# Altium PCB PROC114E3_BRD.PcbDoc (part 4 of 18) (continued)
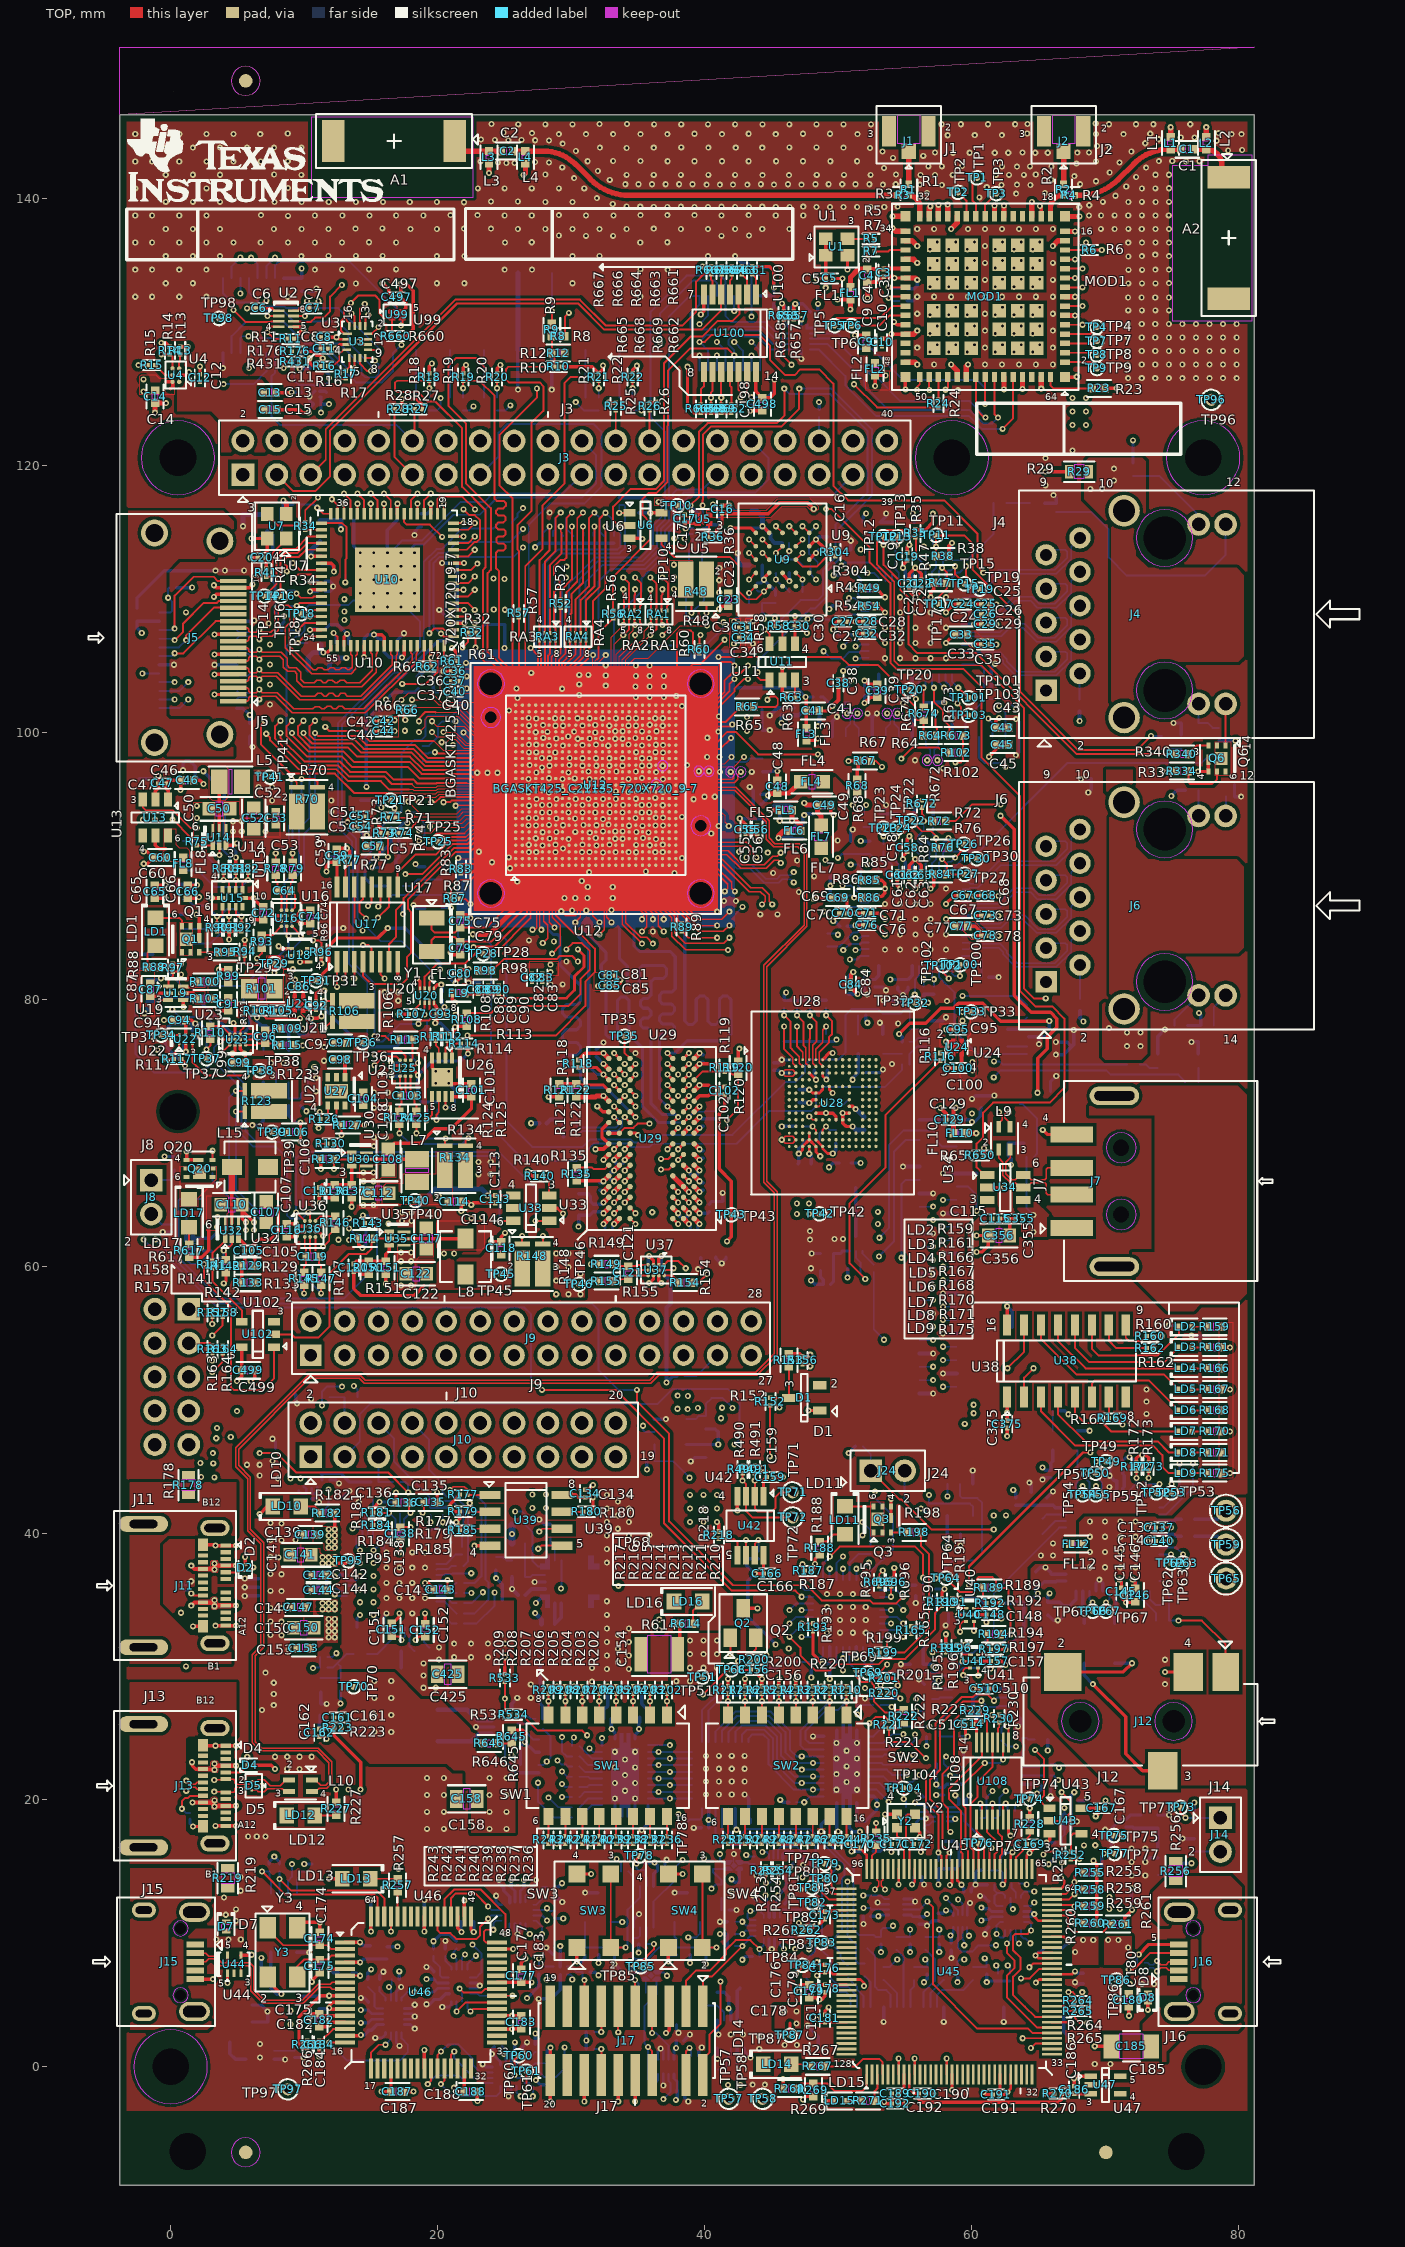
[diagram p0: TOP view]
## Footprints (in the part's own frame and the unit in brackets; to place one, negate y for a bottom-side part, rotate by r counter-clockwise, add the part's x,y. Pads: shape width x height; smd on the part's side, far side on the other; paste and mask are expansions set on the pad) (continued)
  silkscreen extent -261,-270 240,270, body extent -230,-260 230,260, height 150
VQFN48_19-68_285X285 [mil] "VQFN48_19-68_285X285"
  rect 34x12 smd: 1(137.8,-108.27) 2(137.8,-88.58) 3(137.8,-68.9) 4(137.8,-49.21) 5(137.8,-29.53) 6(137.8,-9.84) 7(137.8,9.84) 8(137.8,29.53) 9(137.8,49.21) 10(137.8,68.9) 11(137.8,88.58) 12(137.8,108.27) 25(-137.8,108.27) 26(-137.8,88.58) 27(-137.8,68.9) 28(-137.8,49.21) 29(-137.8,29.53) 30(-137.8,9.84) 31(-137.8,-9.84) 32(-137.8,-29.53) 33(-137.8,-49.21) 34(-137.8,-68.9) 35(-137.8,-88.58) 36(-137.8,-108.27)
  rect 12x34 smd: 13(108.27,137.8) 14(88.58,137.8) 15(68.9,137.8) 16(49.21,137.8) 17(29.53,137.8) 18(9.84,137.8) 19(-9.84,137.8) 20(-29.53,137.8) 21(-49.21,137.8) 22(-68.9,137.8) 23(-88.58,137.8) 24(-108.27,137.8) 37(-108.27,-137.8) 38(-88.58,-137.8) 39(-68.9,-137.8) 40(-49.21,-137.8) 41(-29.53,-137.8) 42(-9.84,-137.8) 43(9.84,-137.8) 44(29.53,-137.8) 45(49.21,-137.8) 46(68.9,-137.8) 47(88.58,-137.8) 48(108.27,-137.8)
  rect 164x164 smd: 49(0,0)
  silkscreen extent -150,-150 175,150
VQFN56_TPS65987D_280X280_1 [mil] "VQFN56_TPS65987D_280X280_1"
  rect 32x28 smd: 1(-131.89,94.49) 3(-131.89,62.99) 11(-131.89,-62.99) 13(-131.89,-94.49)
  rect 28x8 smd: 5(-131.89,39.37) 6(-131.89,23.62) 7(-131.89,7.87) 8(-131.89,-7.87) 9(-131.89,-23.62) 10(-131.89,-39.37) 29(131.89,-102.36) 30(131.89,-86.61) 31(131.89,-70.87) 32(131.89,-55.12) 33(131.89,-39.37) 34(131.89,-23.62) 35(131.89,-7.87) 36(131.89,7.87) 37(131.89,23.62) 38(131.89,39.37) 39(131.89,55.12) 40(131.89,70.87) 41(131.89,86.61) 42(131.89,102.36)
  rect 8x28 smd: 15(-102.36,-131.89) 16(-86.61,-131.89) 17(-70.87,-131.89) 18(-55.12,-131.89) 19(-39.37,-131.89) 20(-23.62,-131.89) 21(-7.87,-131.89) 22(7.87,-131.89) 23(23.62,-131.89) 24(39.37,-131.89) 25(55.12,-131.89) 26(70.87,-131.89) 27(86.61,-131.89) 28(102.36,-131.89) 43(102.36,131.89) 44(86.61,131.89) 45(70.87,131.89) 46(55.12,131.89) 47(39.37,131.89) 48(23.62,131.89) 49(7.87,131.89) 50(-7.87,131.89) 51(-23.62,131.89) 52(-39.37,131.89) 53(-55.12,131.89) 54(-70.87,131.89) 55(-86.61,131.89) 56(-102.36,131.89)
  rect 69x102 smd: 57(-73.82,57.09)
  rect 69x100 smd: 58(-73.82,-58.07)
  rect 134x217 smd: 59(41.34,0)
  silkscreen extent -165,-150 150,150
VQFNHR14_LM61460_160X140_1 [mil] "VQFNHR14_LM61460_160X140_1"
  oct 1x1 smd: 1(-65.94,45.28) 5(-65.94,-45.28) 9(62.99,-45.28) 11(62.99,45.28)
  rect 28x10 smd: 2(-72.83,20.67) 4(-72.83,-20.67)
  rect 28x12 smd: 3(-72.83,0)
  rect 10x28 smd: 6(-44.29,-62.99) 7(-24.61,-62.99) 13(-24.61,62.99) 14(-44.29,62.99)
  rect 16x39 smd: 8(17.72,-57.09) 12(17.72,57.09)
  rect 94x16 smd: 10(39.37,0)
  TOP region: 55.12,-76.78 70.86,-76.78 70.86,-53.15 86.61,-53.15 86.61,-37.41 55.12,-37.41
  TOP region: 55.12,-76.78 70.86,-76.78 70.86,-53.15 86.61,-53.15 86.61,-37.41 55.12,-37.41
  TOP region: 55.12,76.78 70.86,76.78 70.86,53.15 86.61,53.15 86.61,37.41 55.12,37.41
  TOP region: 55.12,76.78 70.86,76.78 70.86,53.15 86.61,53.15 86.61,37.41 55.12,37.41
  TOP region: -72.83,-76.78 -59.05,-76.78 -59.05,-37.41 -86.61,-37.41 -86.61,-53.15 -72.83,-53.15
  TOP region: -72.83,-76.78 -59.05,-76.78 -59.05,-37.41 -86.61,-37.41 -86.61,-53.15 -72.83,-53.15
  TOP region: -72.83,76.78 -59.05,76.78 -59.05,37.41 -86.61,37.41 -86.61,53.15 -72.83,53.15
  TOP region: -72.83,76.78 -59.05,76.78 -59.05,37.41 -86.61,37.41 -86.61,53.15 -72.83,53.15
  silkscreen extent -115,-90 100,90, body extent -80,-70 80,70, height 150
VQFNHR15_TPS630701_100X120_1 [mil] "VQFNHR15_TPS630701_100X120_1"
  rect 24x10 smd: 1(45.2,-29.53) 2(45.2,-9.84) 3(45.2,9.84) 4(45.2,29.53)
  rect 10x24 smd: 5(28.46,55.12) 6(8.78,55.12) 14(8.78,-55.12) 15(28.46,-55.12)
  rect 33x28 smd: 7(-20.75,55.12) 12(-20.75,-55.12)
  rect 57x14 smd: 9(-30.59,19.68) 11(-30.59,-19.68)
  rect 71x14 smd: 10(-23.7,0)
  silkscreen extent -60,-70 75,70, body extent -50,-60 50,60, height 150
VSONHR6_TPS62826_60X60_1 [mil] "VSONHR6_TPS62826_60X60_1"
  rect 28x14 smd: 1(-25.41,19.68) 2(-25.41,0) 3(-25.41,-19.68)
  rect 39x8 smd: 4(17.9,-19.68) 5(17.9,0) 6(17.9,19.68)
  silkscreen extent -55,-40 30,45, body extent -30,-30 30,30, height 150
VSSOP8_19-68_85X95_0-9 [mil] "VSSOP8_19-68_85X95_0-9"
  rect 33x12 smd: 1(-61.02,29.53) 2(-61.02,9.84) 3(-61.02,-9.84) 4(-61.02,-29.53) 5(61.02,-29.53) 6(61.02,-9.84) 7(61.02,9.84) 8(61.02,29.53)
  silkscreen extent -96,-50 30,51, body extent -45,-40 45,40, height 150
VSSOP8_25-59_120X120_1-1#1 [mil] "VSSOP8_25-59_120X120_1-1"
  rect 55x18 smd: 1(-86.61,38.39) 2(-86.61,12.8) 3(-86.61,-12.8) 4(-86.61,-38.39) 5(86.61,-38.39) 6(86.61,-12.8) 7(86.61,12.8) 8(86.61,38.39)
  silkscreen extent -106,-70 45,70, body extent -60,-60 60,60, height 150
VSSOP8_25-59_120X120_1-1#2 [mil] "VSSOP8_25-59_120X120_1-1"
  rect 55x18 smd: 1(86.61,-38.39) 2(86.61,-12.8) 3(86.61,12.8) 4(86.61,38.39) 5(-86.61,38.39) 6(-86.61,12.8) 7(-86.61,-12.8) 8(-86.61,-38.39)
  silkscreen extent -45,-70 135,70, body extent -60,-60 60,60, height 150
WSON6_CSD13202Q2_80X80_0-8 [mil] "WSON6_CSD13202Q2_80X80_0-8"
  rect 18x12 smd: 1(-38.39,25.59) 2(-38.39,0) 3(-38.39,-25.59) 4(38.39,-25.59) 5(38.39,0) 6(38.39,25.59)
  rect 30x12 smd: 7(3.74,-25.59)
  rect 39x37 smd: 8(0,12.8)
  silkscreen extent -72,-50 40,55, body extent -40,-40 40,40, height 150
WSON6_TPS717_60X60_0-8 [mil] "WSON6_TPS717_60X60_0-8"
  rect 33x11 smd: 1(-20.67,19.68)
  rect 30x11 smd: 2(-22.64,0) 3(-22.64,-19.68) 4(22.64,-19.68) 5(22.64,0) 6(22.64,19.68)
  silkscreen extent -53,-40 30,45
WSON10_19-68_80X120_0-8 [mil] "WSON10_19-68_80X120_0-8"
  rect 28x12 smd: 1(-41.34,39.37) 2(-41.34,19.68) 3(-41.34,0) 4(-41.34,-19.68) 5(-41.34,-39.37) 6(41.34,-39.37) 7(41.34,-19.68) 8(41.34,0) 9(41.34,19.68) 10(41.34,39.37)
  rect 37x98 smd: 11(0,0)
  silkscreen extent -67,-70 50,75, body extent -40,-60 40,60, height 150
X2SON3_ESD122DMX_30X40_0-4 [mil] "X2SON3_ESD122DMX_30X40_0-4"
  rect 8x8 smd: 1(-5.91,0) 2(5.91,-13.39) 3(5.91,13.39)
  silkscreen extent -35,-35 25,35, body extent -15,-20 15,20, height 150
X2SON4_TLV71318P_40X40_0-4 [mil] "X2SON4_TLV71318P_40X40_0-4"
  oct 1x1 smd: 1(-16.93,12.8) 2(-16.93,-12.8) 3(16.93,-12.8) 4(16.93,12.8) 5(0,0)
  TOP region: 25.99,18.9 7.87,18.9 7.87,14.94 16.11,6.7 25.99,6.7
  TOP region: 25.99,18.9 7.87,18.9 7.87,14.94 16.11,6.7 25.99,6.7
  TOP region: 25.99,-18.9 7.87,-18.9 7.87,-14.94 16.11,-6.7 25.99,-6.7
  TOP region: 25.99,-18.9 7.87,-18.9 7.87,-14.94 16.11,-6.7 25.99,-6.7
  TOP region: 0,16.26 -16.26,0 0,-16.26 16.26,0
  TOP region: -25.99,18.9 -7.87,18.9 -7.87,14.94 -16.11,6.7 -25.99,6.7
  TOP region: -25.99,18.9 -7.87,18.9 -7.87,14.94 -16.11,6.7 -25.99,6.7
  TOP region: -25.99,-18.9 -7.87,-18.9 -7.87,-14.94 -16.11,-6.7 -25.99,-6.7
  TOP region: -25.99,-18.9 -7.87,-18.9 -7.87,-14.94 -16.11,-6.7 -25.99,-6.7
  silkscreen extent -34,-30 20,30, body extent -20,-20 20,20, height 150
X2SON5_TLV7021_30X30_0-4#1 [mil] "X2SON5_TLV7021_30X30_0-4"
  oct 1x1 smd: 1(-15.35,9.45) 2(-15.35,-9.45) 3(0,0) 4(15.35,-9.45) 5(15.35,9.45)
  TOP region: 12.55,3.12 21.65,3.12 23.17,3.42 24.46,4.28 25.32,5.57 25.62,7.09 25.62,7.09 25.62,11.81 25.32,13.33 24.46,14.62 23.17,15.48 21.65,15.78 21.65,15.78 5.08,15.78 5.08,10.59
  TOP region: 12.55,3.12 21.65,3.12 23.17,3.42 24.46,4.28 25.32,5.57 25.62,7.09 25.62,7.09 25.62,11.81 25.32,13.33 24.46,14.62 23.17,15.48 21.65,15.78 21.65,15.78 5.08,15.78 5.08,10.59
  TOP region: -12.55,3.12 -21.65,3.12 -23.17,3.42 -24.46,4.28 -25.32,5.57 -25.62,7.09 -25.62,7.09 -25.62,11.81 -25.32,13.33 -24.46,14.62 -23.17,15.48 -21.65,15.78 -21.65,15.78 -5.08,15.78 -5.08,10.59
  TOP region: -12.55,3.12 -21.65,3.12 -23.17,3.42 -24.46,4.28 -25.32,5.57 -25.62,7.09 -25.62,7.09 -25.62,11.81 -25.32,13.33 -24.46,14.62 -23.17,15.48 -21.65,15.78 -21.65,15.78 -5.08,15.78 -5.08,10.59
  TOP region: 12.55,-3.12 21.65,-3.12 23.17,-3.42 24.46,-4.28 25.32,-5.57 25.62,-7.09 25.62,-7.09 25.62,-11.81 25.32,-13.33 24.46,-14.62 23.17,-15.48 21.65,-15.78 21.65,-15.78 5.08,-15.78 5.08,-10.59
  TOP region: 12.55,-3.12 21.65,-3.12 23.17,-3.42 24.46,-4.28 25.32,-5.57 25.62,-7.09 25.62,-7.09 25.62,-11.81 25.32,-13.33 24.46,-14.62 23.17,-15.48 21.65,-15.78 21.65,-15.78 5.08,-15.78 5.08,-10.59
  TOP region: -12.55,-3.12 -21.65,-3.12 -23.17,-3.42 -24.46,-4.28 -25.32,-5.57 -25.62,-7.09 -25.62,-7.09 -25.62,-11.81 -25.32,-13.33 -24.46,-14.62 -23.17,-15.48 -21.65,-15.78 -21.65,-15.78 -5.08,-15.78 -5.08,-10.59
  TOP region: -12.55,-3.12 -21.65,-3.12 -23.17,-3.42 -24.46,-4.28 -25.32,-5.57 -25.62,-7.09 -25.62,-7.09 -25.62,-11.81 -25.32,-13.33 -24.46,-14.62 -23.17,-15.48 -21.65,-15.78 -21.65,-15.78 -5.08,-15.78 -5.08,-10.59
  TOP region: 0,9.9 -9.9,0 0,-9.9 9.9,0
  silkscreen extent -50,-30 40,30, body extent -15,-15 15,15, height 150
X2SON5_TLV7021_30X30_0-4#2 [mil] "X2SON5_TLV7021_30X30_0-4"
  oct 1x1 smd: 1(15.35,-9.45) 2(15.35,9.45) 3(0,0) 4(-15.35,9.45) 5(-15.35,-9.45)
  TOP region: 12.55,-3.12 21.65,-3.12 23.17,-3.42 24.46,-4.28 25.32,-5.57 25.62,-7.09 25.62,-7.09 25.62,-11.81 25.32,-13.33 24.46,-14.62 23.17,-15.48 21.65,-15.78 21.65,-15.78 5.08,-15.78 5.08,-10.59
  TOP region: 12.55,-3.12 21.65,-3.12 23.17,-3.42 24.46,-4.28 25.32,-5.57 25.62,-7.09 25.62,-7.09 25.62,-11.81 25.32,-13.33 24.46,-14.62 23.17,-15.48 21.65,-15.78 21.65,-15.78 5.08,-15.78 5.08,-10.59
  TOP region: 12.55,3.12 21.65,3.12 23.17,3.42 24.46,4.28 25.32,5.57 25.62,7.09 25.62,7.09 25.62,11.81 25.32,13.33 24.46,14.62 23.17,15.48 21.65,15.78 21.65,15.78 5.08,15.78 5.08,10.59
  TOP region: 12.55,3.12 21.65,3.12 23.17,3.42 24.46,4.28 25.32,5.57 25.62,7.09 25.62,7.09 25.62,11.81 25.32,13.33 24.46,14.62 23.17,15.48 21.65,15.78 21.65,15.78 5.08,15.78 5.08,10.59
  TOP region: -12.55,-3.12 -21.65,-3.12 -23.17,-3.42 -24.46,-4.28 -25.32,-5.57 -25.62,-7.09 -25.62,-7.09 -25.62,-11.81 -25.32,-13.33 -24.46,-14.62 -23.17,-15.48 -21.65,-15.78 -21.65,-15.78 -5.08,-15.78 -5.08,-10.59
  TOP region: -12.55,-3.12 -21.65,-3.12 -23.17,-3.42 -24.46,-4.28 -25.32,-5.57 -25.62,-7.09 -25.62,-7.09 -25.62,-11.81 -25.32,-13.33 -24.46,-14.62 -23.17,-15.48 -21.65,-15.78 -21.65,-15.78 -5.08,-15.78 -5.08,-10.59
  TOP region: -12.55,3.12 -21.65,3.12 -23.17,3.42 -24.46,4.28 -25.32,5.57 -25.62,7.09 -25.62,7.09 -25.62,11.81 -25.32,13.33 -24.46,14.62 -23.17,15.48 -21.65,15.78 -21.65,15.78 -5.08,15.78 -5.08,10.59
  TOP region: -12.55,3.12 -21.65,3.12 -23.17,3.42 -24.46,4.28 -25.32,5.57 -25.62,7.09 -25.62,7.09 -25.62,11.81 -25.32,13.33 -24.46,14.62 -23.17,15.48 -21.65,15.78 -21.65,15.78 -5.08,15.78 -5.08,10.59
  TOP region: 0,-9.9 9.9,0 0,9.9 -9.9,0
  silkscreen extent -40,-30 50,30, body extent -15,-15 15,15, height 150
X2SON8_15-74_70X50 [mil] "X2SON8_15-74_70X50"
  rect 33x8 smd: 1(-21.65,23.62) 2(-21.65,7.87) 3(-21.65,-7.87) 4(-21.65,-23.62) 5(21.65,-23.62) 6(21.65,-7.87) 7(21.65,7.87) 8(21.65,23.62)
  silkscreen extent -50,-45 35,50, body extent -25,-35 25,35, height 150
X2SON8_TXS0102_40X60_0-4#1 [mil] "X2SON8_TXS0102_40X60_0-4"
  rect 24x7 smd: 1(-15.73,20.67)
  rect 20x7 smd: 2(-17.7,6.89) 3(-17.7,-6.89) 4(-17.7,-20.67) 5(17.74,-20.67) 6(17.74,-6.89) 7(17.74,6.89) 8(17.74,20.67)
  silkscreen extent -42,-40 20,45, body extent -20,-30 20,30, height 150
X2SON8_TXS0102_40X60_0-4#2 [mil] "X2SON8_TXS0102_40X60_0-4"
  rect 24x7 smd: 1(15.73,-20.67)
  rect 20x7 smd: 2(17.7,-6.89) 3(17.7,6.89) 4(17.7,20.67) 5(-17.74,20.67) 6(-17.74,6.89) 7(-17.74,-6.89) 8(-17.74,-20.67)
  silkscreen extent -20,-45 38,40, body extent -20,-30 20,30, height 150
XTAL4_ECX-53BQ_200X130_SMD_0-9 [mil] "XTAL4_ECX-53BQ_200X130_SMD_0-9"
  rect 63x49 smd: 1(-72.83,-43.31) 2(72.83,-43.31) 3(72.83,43.31) 4(-72.83,43.31)
  silkscreen extent -135,-80 115,80, body extent -100,-65 100,65, height 150
XTAL4_XRCGB-FM_80X60_SMD_0-7 [mil] "XTAL4_XRCGB-FM_80X60_SMD_0-7"
  rect 30x28 smd: 1(-26.57,-19.68) 2(26.57,-19.68) 3(26.57,19.68) 4(-26.57,19.68)
  silkscreen extent -67,-50 55,50, body extent -40,-30 40,30, height 150
XTAL_ECS-32_130X60_SMD_0-9 [mil] "XTAL_ECS-32_130X60_SMD_0-9"
  rect 44x75 smd: 1(-49.21,0) 2(49.21,0)
  silkscreen extent -102,-55 85,55, body extent -65,-30 65,30, height 150

## Free pads (board coordinates)
  round 2.616 hole 2.743: ""(0,0) ""(0.547,71.584) ""(0.547,120.584) ""(1.27,-6.35) ""(1.27,148.827) ""(58.547,120.584) ""(76.11,-6.35) ""(76.11,148.827) ""(77.38,0) ""(77.38,120.584)
  round 1.016 all layers, no hole: ""(5.625,-6.418) ""(5.625,148.827) ""(70.09,-6.418)

## Via types
v1: diameter 0.457, hole 0.203, TOP to BOTTOM, 3263 vias

## Nets (pads, with @x,y where several pads share a name; then routed paths per layer and width w, separated by ;. In a path a pad name is that pad's centre, name@x,y a point inside that pad or via, vN(x,y) a via of type N, cw(c..) or ccw(c..) an arc to the next point about the centre after c; other vN are vias at no path point)
1V8_PG:  | length 43.3
  TOP w0.147: v1(-0.786,79.36) -0.786,79.805 -0.639,79.952 -0.205,79.952 ; v1(3.646,90.805) 3.646,91.541 ; v1(11.113,69.174) 11.723,69.174 ; 12.425,72.053 12.425,70.955 12.808,70.571 v1(12.808,69.822)
  L08_SIG2 w0.091: v1(3.646,90.805) 1.201,90.805 -1.298,88.306 -1.298,79.872 v1(-0.786,79.36) -1.408,78.737 -1.408,75.372 -0.519,74.483 2.681,74.483 4.865,72.299 5.852,72.299 7.859,70.292 10.149,70.292 10.631,70.775 12.257,70.775 12.808,70.223 v1(12.808,69.822) 12.161,69.174 v1(11.113,69.174)
ADCIN1:  | length 3.7
  BOTTOM w0.147: 10.118,35.641 10.52,36.043 11.126,36.043 11.126,35.799 11.274,35.651 11.958,35.651 12.13,35.824 12.53,35.824 12.689,35.665 13.22,35.665
ADCIN2:  | length 3.5
  BOTTOM w0.147: 10.118,36.911 10.627,36.911 10.733,36.805 11.126,36.805 11.126,37.056 11.266,37.196 12.536,37.196 12.606,37.265 13.22,37.265
ADDR_IO_EXP:  | length 1.5
  BOTTOM w0.147: 51.891,31.472 51.891,30.771 51.993,30.669 51.993,30.034
AGND_AUD:  | length 11.6
  TOP w0.254: v1(71.101,36.506) 71.256,36.351 71.256,35.894 ; v1(72.101,36.506) 72.299,36.307 72.299,35.845 ; v1(73.237,39.401) 73.821,39.401 ; v1(73.237,40.401) 73.821,40.401 ; v1(74.524,29.587) 76.266,29.587
  BOTTOM w0.254: 64.835,37.112 65.154,37.431 v1(65.571,37.431) 65.978,37.025 65.978,36.902 67.1,36.902 ; 65.724,33.836 65.757,33.836 66.13,33.462 v1(66.486,33.462) 66.638,33.462 66.892,33.716 66.892,33.995 ; 69.351,35.651 69.351,36.256 v1(69.601,36.506) 69.851,36.256 69.851,35.651 ; v1(72.101,36.506) 72.351,36.256 72.351,35.651
  other v1: 74.524,28.673 74.524,30.502 68.886,37.437 70.029,37.437 71.172,37.437 72.315,37.437 68.886,38.58 70.029,38.58 71.172,38.58 72.315,38.58 68.886,39.723 70.029,39.723 71.172,39.723 72.315,39.723 68.886,40.866 70.029,40.866 71.172,40.866 72.315,40.866
AUD_RSTN:  | length 15.9
  BOTTOM w0.147: 58.297,31.539 58.297,30.414 58.637,30.414 58.79,30.567 58.79,30.77 59.018,30.998 60.132,30.998 61.685,32.552 61.685,35.494 66.593,40.401 67.1,40.401
AUDIO_EXT_REFCLK1:  | length 27.7
  TOP w0.147: 7.227,116.384 7.227,116.301 8.012,115.515 9.443,115.515 9.677,115.75 10.087,115.75 10.087,116.642 v1(11.048,117.603) ; v1(21.874,106.362) 22.282,106.77 22.282,107.473
  L03_SIG1 w0.091: v1(11.048,117.603) 10.61,117.165 10.61,116.678 11.805,115.484 11.805,108.465 12.422,107.848 20.389,107.848 v1(21.874,106.362)
AUDIO_MSTRCLK:  | length 1.5
  BOTTOM w0.147: 67.851,42.652 67.851,43.691 67.957,43.797 67.957,44.142
BOOTMODE0:  | length 2.1
  BOTTOM w0.147: 30.647,18.687 31.564,19.604 32.325,19.604
BOOTMODE1:  | length 1.9
  BOTTOM w0.147: 30.647,19.449 31.302,20.104 32.325,20.104
BOOTMODE2:  | length 1.8
  BOTTOM w0.147: 30.647,20.211 31.04,20.604 32.325,20.604
BOOTMODE3:  | length 1.7
  BOTTOM w0.147: 30.647,20.973 31.231,20.973 31.361,21.104 32.325,21.104
BOOTMODE4:  | length 1.7
  BOTTOM w0.147: 30.647,21.735 31.303,21.735 31.434,21.604 32.325,21.604
BOOTMODE5:  | length 1.8
  BOTTOM w0.147: 30.647,22.497 31.04,22.104 32.325,22.104
BOOTMODE6:  | length 1.9
  BOTTOM w0.147: 30.647,23.259 31.302,22.604 32.325,22.604
BOOTMODE7:  | length 2.1
  BOTTOM w0.147: 30.647,24.021 31.564,23.104 32.325,23.104
BOOTMODE8:  | length 137.3
  TOP w0.147: v1(33.92,111.607) 34.363,111.163 34.363,109.123
  L08_SIG2 w0.091: v1(33.92,111.607) 36.465,114.152 39.904,114.152 41.637,115.885 49.463,115.885 50.429,116.851 58.569,116.851 62.107,113.313 62.107,110.444 61.417,109.754 61.417,105.995 60.776,105.353 60.776,92.52 62.574,90.722 62.574,73.925 64.11,72.39 64.11,46.38 61.309,43.58 61.309,40.084 63.815,37.578 63.815,27.316 61.722,25.222 60.046,25.222 59.765,25.503 v1(56.871,25.503)
  BOTTOM w0.147: 52.386,24.764 52.666,24.764 53.404,25.503 v1(56.871,25.503)
BOOTMODE9:  | length 135.4
  TOP w0.147: v1(33.92,110.727) 33.92,110.323 33.963,110.28 33.963,109.123
  L08_SIG2 w0.091: v1(33.92,110.727) 34.325,110.322 35.13,110.322 35.351,110.542 35.351,111.279 35.576,111.504 35.576,112.402 36.73,113.556 41.744,113.556 42.348,112.951 48.466,112.951 51.055,115.541 59.039,115.541 61.528,113.052 61.528,110.815 60.838,110.125 60.838,106.324 60.197,105.683 60.197,92.253 61.225,91.224 61.225,73.931 63.398,71.758 63.398,46.558 60.73,43.89 60.73,39.844 62.89,37.683 62.89,33.071 62.535,32.715 62.535,32.029 62.992,31.572 62.992,28.118 61.671,26.797 56.997,26.797 56.134,25.933 55.926,25.933 v1(54.912,24.919)
  BOTTOM w0.147: 52.386,24.265 53.41,24.265 54.065,24.919 v1(54.912,24.919)
BOOTMODE10:  | length 135.3
  TOP w0.147: 34.763,109.123 34.763,110.272 34.814,110.323 v1(34.814,110.727)
  L08_SIG2 w0.091: v1(34.814,110.727) 35.08,110.993 35.08,111.297 35.383,111.6 35.383,112.505 36.643,113.765 40.233,113.765 40.453,113.984 49.226,113.984 50.975,115.734 59.119,115.734 61.721,113.132 61.721,110.735 61.031,110.045 61.031,106.243 60.39,105.602 60.39,92.36 61.436,91.315 61.436,76.662 62.117,75.981 62.117,73.544 63.627,72.034 63.627,46.507 60.923,43.804 60.923,39.924 63.373,37.474 63.373,27.584 61.747,25.959 61.265,25.959 60.884,26.34 56.845,26.34 55.789,25.283 v1(55.789,24.897)
  BOTTOM w0.147: 52.386,23.764 53.672,23.764 54.065,24.157 55.453,24.157 55.789,24.493 v1(55.789,24.897)
BOOTMODE11:  | length 132.7
  TOP w0.147: v1(36.846,111.607) 37.288,111.165 37.288,109.543 37.195,109.45 37.195,109.123
  L08_SIG2 w0.091: v1(36.846,111.607) 36.468,111.985 36.468,112.922 36.89,113.344 41.466,113.344 42.079,112.732 48.519,112.732 51.135,115.347 58.959,115.347 61.335,112.972 61.335,110.895 60.645,110.205 60.645,106.404 60.004,105.763 60.004,92.173 61.016,91.161 61.016,71.642 61.966,70.692 61.966,45.43 60.488,43.952 60.488,39.757 62.687,37.558 62.687,33.35 62.128,32.791 62.128,29.261 61.239,28.372 61.239,27.178 61.062,27 56.82,27 56.083,26.264 55.622,26.264 54.505,25.147 54.505,24.074 54.743,23.835 v1(54.743,23.395)
  BOTTOM w0.147: 52.386,23.265 53.35,23.265 53.481,23.395 v1(54.743,23.395)
BOOTMODE12:  | length 134.8
  TOP w0.147: 36.795,109.123 36.795,110.272 36.846,110.323 v1(36.846,110.727)
  L08_SIG2 w0.091: v1(36.846,110.727) 37.329,111.21 38.793,111.21 40.516,112.933 41.605,112.933 42.111,112.427 48.488,112.427 51.215,115.154 58.87,115.154 60.433,113.592 60.433,111.902 59.811,111.28 59.811,92.093 60.823,91.081 60.823,71.562 61.773,70.612 61.773,45.618 60.295,44.14 60.295,39.633 61.29,38.637 61.29,34.29 61.773,33.807 61.773,30.302 61.874,30.201 61.874,29.359 60.048,27.533 56.618,27.533 56.238,27.153 55.575,27.153 54.275,25.853 54.275,21.928 54.724,21.479 55.387,21.479 55.649,21.741 v1(55.649,23.374)
  BOTTOM w0.147: 52.386,22.764 53.278,22.764 53.409,22.633 55.336,22.633 55.649,22.947 v1(55.649,23.374)
BOOTMODE13:  | length 138.5
  TOP w0.147: v1(34.814,111.607) 35.256,111.165 35.256,109.543 35.163,109.45 35.163,109.123
  L08_SIG2 w0.091: v1(34.814,111.607) 34.814,112.221 36.551,113.958 40.1,113.958 41.072,114.929 49.127,114.929 50.144,115.946 59.18,115.946 61.914,113.212 61.914,110.555 61.224,109.865 61.224,106.088 60.583,105.447 60.583,92.44 61.629,91.394 61.629,76.827 62.34,76.116 62.34,73.702 63.83,72.212 63.83,46.38 61.116,43.666 61.116,40.004 63.602,37.518 63.602,27.457 61.595,25.451 60.427,25.451 59.88,25.997 56.832,25.997 56.337,25.502 56.337,24.606 55.183,23.452 v1(55.183,21.871)
  BOTTOM w0.147: 52.386,22.265 53.671,22.265 54.065,21.871 v1(55.183,21.871)
BOOTMODE14:  | length 135.2
  TOP w0.147: v1(35.952,110.727) 35.952,110.323 35.995,110.28 35.995,109.123
  L08_SIG2 w0.091: v1(35.952,110.727) 36.383,110.295 38.595,110.295 40.241,111.942 41.849,111.942 42.141,112.234 48.568,112.234 49.839,113.505 50.873,113.505 52.33,114.961 58.79,114.961 60.24,113.512 60.24,111.982 59.617,111.359 59.617,92.014 60.63,91.001 60.63,71.393 61.559,70.463 61.559,47.697 59.629,45.767 59.629,40.006 60.985,38.65 60.985,34.087 61.544,33.528 61.544,30.632 61.011,30.099 61.011,29.235 60.655,28.88 60.02,28.88 59.131,27.991 55.575,27.991 55.245,27.661 55.245,27.178 54.07,26.003 54.07,21.761 54.589,21.242 55.468,21.242 v1(56.098,21.871)
  BOTTOM w0.147: 52.386,21.764 53.41,21.764 53.838,21.336 55.562,21.336 v1(56.098,21.871)
BOOTMODE15:  | length 135.2
  TOP w0.147: v1(35.952,111.607) 36.395,111.163 36.395,109.123
  L08_SIG2 w0.091: v1(35.952,111.607) 35.544,111.199 35.544,110.444 35.885,110.102 39.789,110.102 40.596,110.909 42.13,110.909 43.261,112.041 48.648,112.041 49.888,113.281 52.056,113.281 53.543,114.768 58.71,114.768 60.047,113.432 60.047,112.062 59.424,111.439 59.424,91.934 60.185,91.173 60.185,90.053 59.599,89.466 59.599,83.113 59.941,82.77 59.941,75.937 59.687,75.683 59.687,72.898 59.543,72.753 59.543,70.074 60.24,69.376 61.023,69.376 61.366,69.033 61.366,47.777 59.436,45.847 59.436,39.926 60.706,38.656 60.706,32.36 59.969,31.623 59.969,29.21 58.979,28.219 55.372,28.219 55.22,28.067 54.051,28.067 53.467,27.483 53.467,26.441 53.645,26.264 53.645,21.184 v1(54,20.828)
  BOTTOM w0.147: 52.386,21.265 53.135,21.265 53.571,20.828 v1(54,20.828)
BOOTMODE_I2C_SCL:  | length 55.4
  TOP w0.147: 48.782,9.307 v1(49.417,9.307)
  L03_SIG1 w0.091: v1(61.874,7.595) 61.874,7.95 60.579,9.246 60.579,10.16 63.17,12.751 65.075,12.751 65.557,13.233 65.557,13.614 66.65,14.707 66.98,14.707 67.285,15.011 67.285,16.637 65.938,17.983 65.938,19.634 66.37,20.066 66.37,21.336 v1(66.523,21.488)
  L08_SIG2 w0.091: v1(49.417,9.307) 58.552,9.307 59.131,8.727 59.721,8.727 60.854,7.595 v1(61.874,7.595)
  BOTTOM w0.147: 41.318,19.354 41.318,17.71 42.051,16.977 42.73,16.977 43.263,17.511 47.823,17.511 48.446,16.887 48.709,16.887 50.507,15.089 50.507,14.334 50.306,14.132 50.306,10.221 49.417,9.332 v1(49.417,9.307) 50.189,8.535 50.189,8.137 50.708,7.618 50.746,7.618 ; v1(61.874,7.595) 62.01,7.459 62.01,6.984 ; 65.939,21.818 66.193,21.818 v1(66.523,21.488)
BOOTMODE_I2C_SDA:  | length 62
  TOP w0.147: v1(46.863,6.96) 47.36,7.456 47.36,7.593
  L03_SIG1 w0.091: v1(62.738,7.595) 61.443,8.89 61.443,10.363 62.484,11.405 63.754,11.405 64.262,11.913 65.557,11.913 67.081,13.437 67.081,13.868 67.539,14.326 67.539,16.942 66.396,18.085 66.396,19.533 67.259,20.396 67.259,21.717 v1(66.573,22.403)
  L08_SIG2 w0.091: v1(46.863,6.96) 47.559,6.263 50.375,6.263 53.166,9.054 58.388,9.054 59.022,8.42 59.695,8.42 60.977,7.137 62.281,7.137 v1(62.738,7.595)
  BOTTOM w0.147: 40.818,19.354 40.818,17.55 41.746,16.622 42.889,16.622 43.473,17.206 47.69,17.206 48.325,16.571 48.325,12.482 47.918,12.075 47.918,9.967 48.274,9.611 48.274,8.638 47.647,8.011 47.647,7.618 47.195,7.618 46.863,7.286 v1(46.863,6.96) ; v1(62.738,7.595) 62.899,7.434 62.899,6.984 ; 65.939,22.707 66.269,22.707 v1(66.573,22.403)
BOOTMODE_XDS_I2C_SCL:  | length 35.7
  TOP w0.147: v1(63.729,6.629) 64.389,6.629 65.097,7.337 66.058,7.337
  L03_SIG1 w0.091: v1(58.42,21.818) 58.318,21.92 57.226,21.92 56.718,21.412 55.55,21.412 54.508,20.371 54.508,19.634 54.788,19.355 54.788,15.494 54.077,14.783 54.077,12.827 53.492,12.243 53.492,10.998 52.349,9.855 52.349,7.544 54.762,5.131 62.23,5.131 v1(63.729,6.629)
  BOTTOM w0.147: 57.938,21.818 v1(58.42,21.818) 59.418,21.818
BOOTMODE_XDS_I2C_SDA:  | length 39.4
  TOP w0.147: v1(64.351,7.455) 64.633,7.737 66.058,7.737
  L03_SIG1 w0.091: v1(58.115,23.241) 57.48,22.606 55.22,22.606 54.559,21.946 54.559,20.803 54.28,20.523 54.28,17.196 53.188,16.104 53.188,15.24 52.299,14.351 52.299,13.106 52.578,12.827 52.578,10.566 51.791,9.779 51.791,7.595 54.737,4.648 62.535,4.648 64.351,6.464 v1(64.351,7.455)
  BOTTOM w0.147: v1(58.115,23.241) 57.938,23.064 57.938,22.707 58.177,22.468 59.418,22.468
BOOTMODEON:  | length 47.1
  TOP w0.147: v1(65.4,15.904) 65.612,16.116 67.458,16.116 67.458,17.289 67.639,17.47 68.272,17.47
  L08_SIG2 w0.091: v1(31.383,23.861) 32.475,23.861 33.212,24.597 35.904,24.597 36.615,25.309 51.041,25.309 53.17,23.18 53.17,20.507 v1(53.806,19.871) 54.526,19.152 57.556,19.152 58.852,17.856 63.448,17.856 v1(65.4,15.904)
  BOTTOM w0.147: v1(31.383,23.861) 31.64,23.604 32.325,23.604 ; 52.386,20.764 52.913,20.764 v1(53.806,19.871)
BT_EN:  | length 51.5
  TOP w0.147: 9.202,131.213 v1(10.053,131.213) ; v1(53.811,132.547) 53.918,132.654 55.065,132.654
  L08_SIG2 w0.091: v1(10.053,131.213) 11.215,131.213 12.617,132.615 18.56,132.615 21.371,129.804 29.802,129.804 33.466,133.468 43.288,133.468 44.611,134.791 48.378,134.791 50.012,133.156 53.202,133.156 v1(53.811,132.547)
  BOTTOM w0.147: v1(53.811,132.547) 54.014,132.344 54.623,132.344
BT_EN_SOC:  | length 54.3
  TOP w0.102: v1(27.844,94.002) 27.86,93.986 27.86,93.545
  TOP w0.147: v1(7.252,131.213) 8.103,131.213
  L08_SIG2 w0.091: v1(7.252,131.213) 8.927,129.538 8.927,126.739 8.471,126.284 8.471,124.515 9.016,123.971 9.016,117.486 11.612,114.891 11.612,107.253 12.514,106.351 12.514,105.369 13.323,104.56 17.564,104.56 18.685,103.439 18.685,102.01 18.221,101.546 18.221,98.423 19.227,97.417 24.649,97.417 26.172,95.894 26.172,94.353 26.523,94.002 v1(27.844,94.002)
BT_UART_DEBUG:  | length 4.3
  TOP w0.147: 51.045,130.484 53.121,130.484 53.891,131.254 55.065,131.254
CAP_VDDS0:  | length 0.9
  TOP w0.102: v1(29.361,96.502) 29.361,97.045
  BOTTOM w0.254: 29.168,96.739 29.168,96.695 v1(29.361,96.502)
CAP_VDDS1:  | length 1.2
  TOP w0.102: v1(29.905,98.088) 30.36,98.543 30.36,98.545
  BOTTOM w0.254: 29.485,98.333 29.729,98.088 v1(29.905,98.088)
CAP_VDDS2:  | length 0.8
  TOP w0.254: 34.86,98.045 34.877,98.062 v1(35.317,98.062)
  BOTTOM w0.254: v1(35.317,98.062) 35.317,98.262 35.427,98.372
CAP_VDDS3:  | length 0.8
  TOP w0.254: 32.36,99.045 32.751,99.045 v1(32.798,98.998)
  BOTTOM w0.254: v1(32.798,98.998) 32.816,99.016 32.816,99.286
CAP_VDDS4:  | length 1.2
  TOP w0.254: 33.86,93.045 33.86,92.604 v1(33.877,92.587)
  BOTTOM w0.203: v1(33.877,92.587) 34.024,92.44 34.048,92.44 34.288,92.199 34.288,92.176 34.329,92.135 34.401,92.135
CAP_VDDS5:  | length 1.4
  TOP w0.102: v1(28.82,98.501) 29.276,98.045 29.361,98.045
  BOTTOM w0.254: v1(28.82,98.501) 28.925,98.397 28.925,97.922
CAP_VDDS6:  | length 1.1
  TOP w0.102: v1@29.795,99.68 v1(29.795,99.69)
  TOP w0.254: v1@29.795,99.68 29.834,99.642 29.834,99.072 29.86,99.045
  BOTTOM w0.254: 29.478,99.959 29.526,99.959 v1(29.795,99.69)
CAP_VDDS_CANUART:  | length 1
  TOP w0.203: v1(28.403,94.002) 28.446,94.045 28.86,94.045
  BOTTOM w0.254: 28.152,93.604 28.403,93.855 v1(28.403,94.002)
CAP_VDDS_MCU:  | length 1.4
  TOP w0.102: v1(28.903,95.001) 28.948,95.045 29.361,95.045
  BOTTOM w0.254: 27.994,95.118 28.112,95.001 v1(28.903,95.001)
CBOOT:  | length 3.3
  BOTTOM w0.254: 28.785,34.732 28.785,33.17 29.285,33.67 29.285,34.732